# Altium PCB pcb-sam-carrier.PcbDoc (part 2 of 3)
Units mm, origin at the board's own origin, x right, y up, seen from the top; angles counter-clockwise.
Board outline 140 x 87 mm, 4 copper layers (Top Layer, VCC, GND, Bottom Layer), stack 1.606 mm thick; 245 components, 282 nets, 1348 pads, 172 vias.
Unrouted connection lines stored in the file: 727.
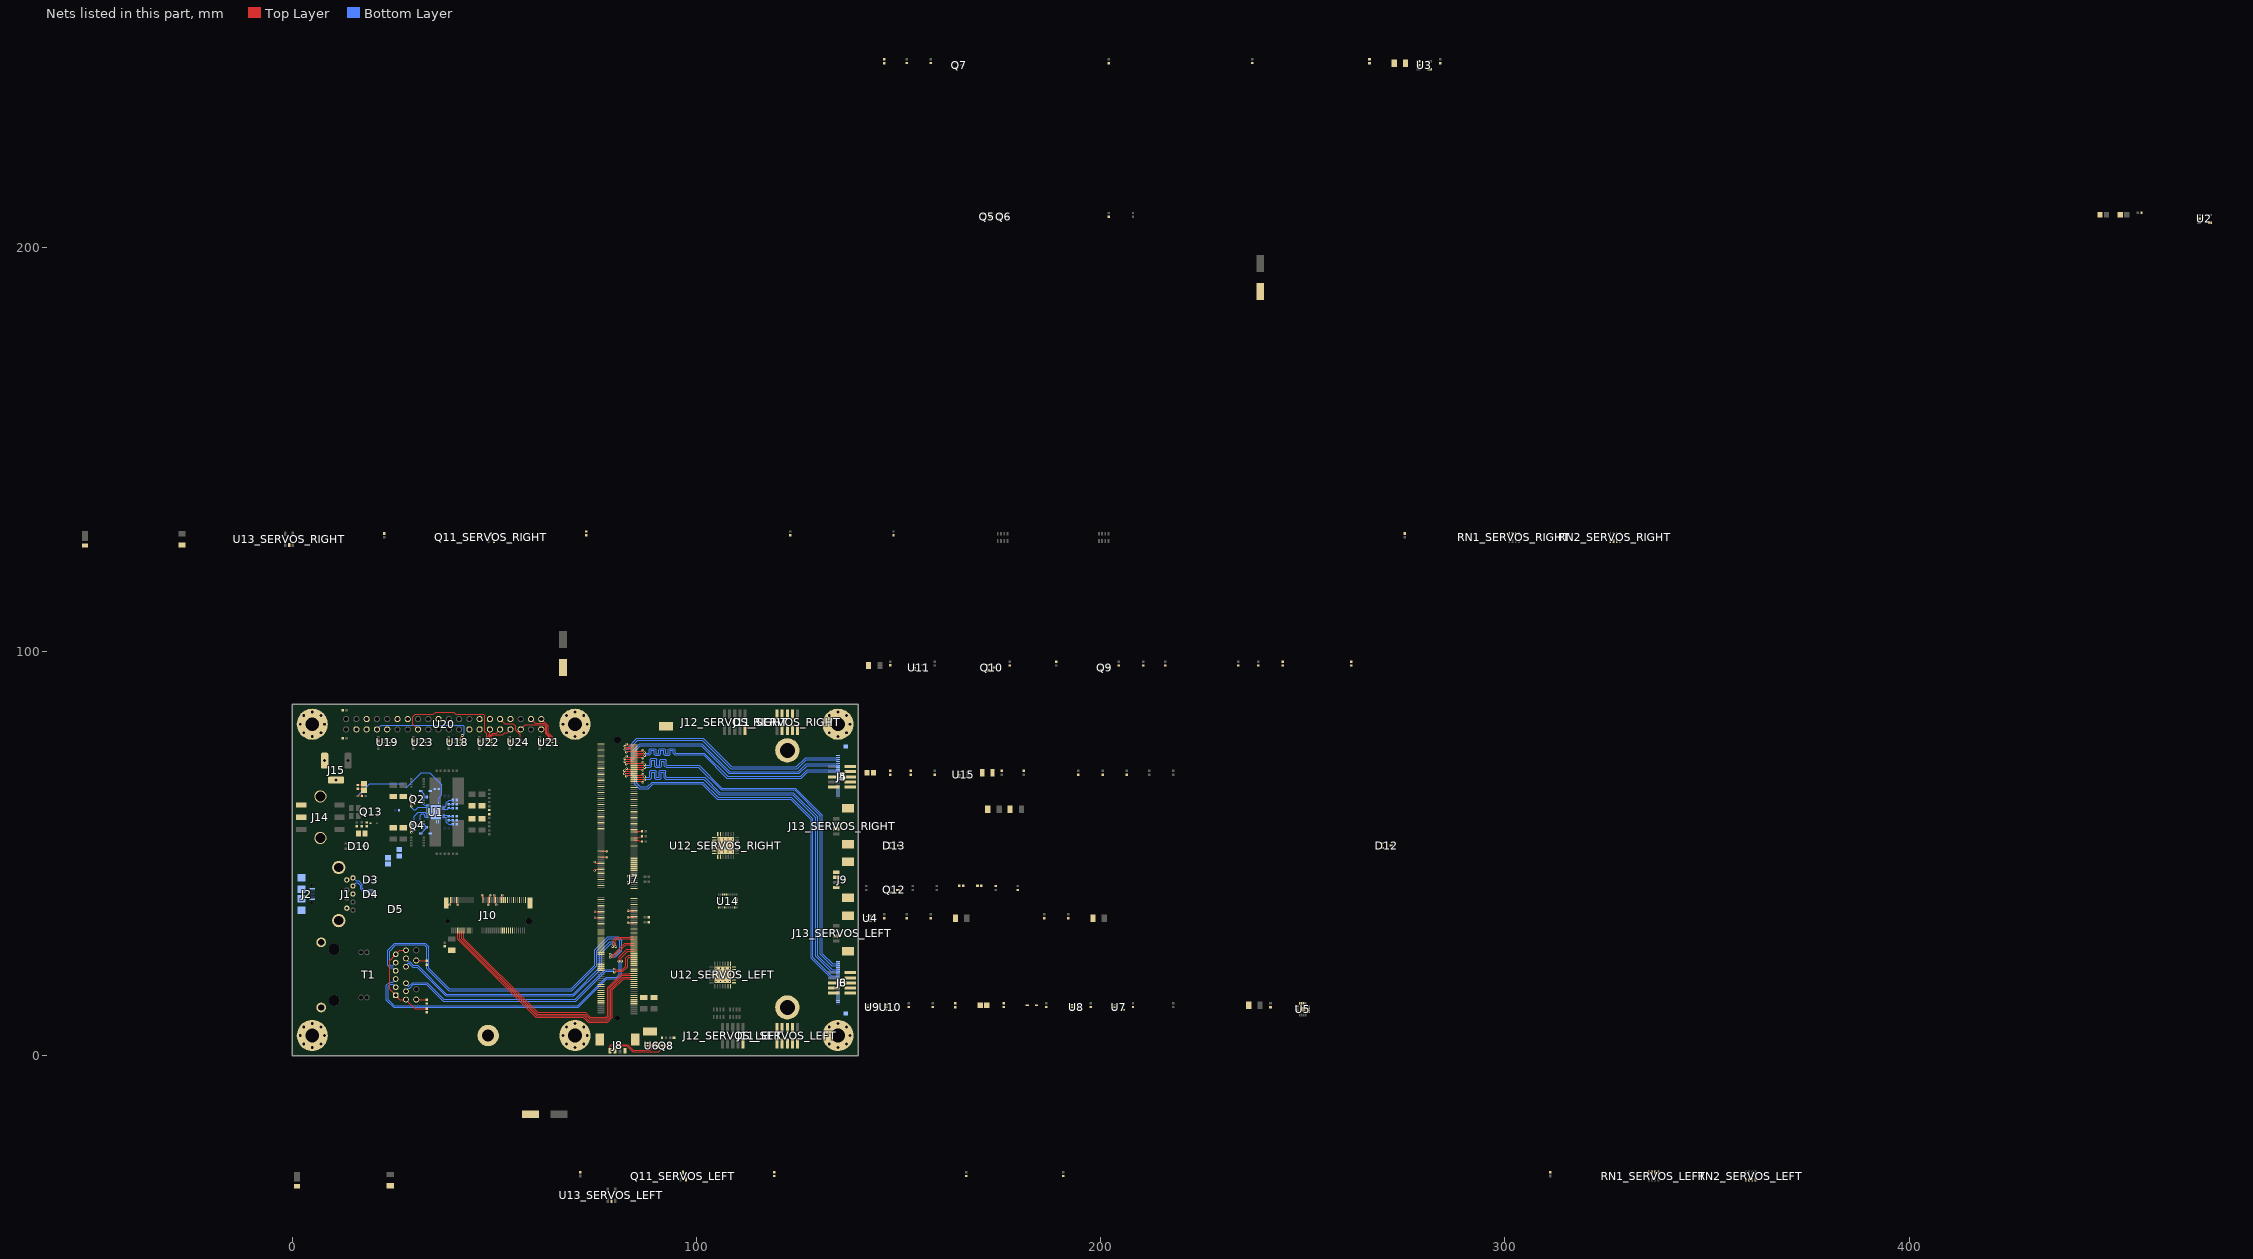
[diagram p2: the nets of this part, all layers, seen from the top]

## Footprints (in the part's own frame and the unit in brackets; to place one, negate y for a bottom-side part, rotate by r counter-clockwise, add the part's x,y. Pads: shape width x height; smd on the part's side, far side on the other; paste and mask are expansions set on the pad) (continued)
TE_2199230-4 [mm]
  rrect15% 0.3x1.55 smd: 1(-9.25,3.9) 2(-9,-3.65) 3(-8.75,3.9) 4(-8.5,-3.65) 5(-8.25,3.9) 6(-8,-3.65) 7(-7.75,3.9) 8(-7.5,-3.65) 9(-7.25,3.9) 10(-7,-3.65) 11(-6.75,3.9) 12(-6.5,-3.65) 13(-6.25,3.9) 14(-6,-3.65) 15(-5.75,3.9) 16(-5.5,-3.65) 17(-5.25,3.9) 18(-5,-3.65) 19(-4.75,3.9) 20(-4.5,-3.65) 21(-4.25,3.9) 22(-4,-3.65) 23(-3.75,3.9) 32(-1.5,-3.65) 33(-1.25,3.9) 34(-1,-3.65) 35(-0.75,3.9) 36(-0.5,-3.65) 37(-0.25,3.9) 38(0,-3.65) 39(0.25,3.9) 40(0.5,-3.65) 41(0.75,3.9) 42(1,-3.65) 43(1.25,3.9) 44(1.5,-3.65) 45(1.75,3.9) 46(2,-3.65) 47(2.25,3.9) 48(2.5,-3.65) 49(2.75,3.9) 50(3,-3.65) 51(3.25,3.9) 52(3.5,-3.65) 53(3.75,3.9) 54(4,-3.65) 55(4.25,3.9) 56(4.5,-3.65) 57(4.75,3.9) 58(5,-3.65) 59(5.25,3.9) 60(5.5,-3.65) 61(5.75,3.9) 62(6,-3.65) 63(6.25,3.9) 64(6.5,-3.65) 65(6.75,3.9) 66(7,-3.65) 67(7.25,3.9) 68(7.5,-3.65) 69(7.75,3.9) 70(8,-3.65) 71(8.25,3.9) 72(8.5,-3.65) 73(8.75,3.9) 74(9,-3.65) 75(9.25,3.9)
  rrect15% 1.2x2.75 smd: S1(-10.35,3.125) S2(10.35,3.125)
  round 1.1 hole 1.1 unplated: ""(-10,-1.375)
  round 1.6 hole 1.6 unplated: ""(10,-1.375)
  silkscreen extent -11,-3.88 11,5.09, body extent -10.95,-4.2 10.95,4.5, height 4.09
TE_2309413-1 [mm]
  rect 0.3x1.75 smd: 1(36.875,4.1) 2(36.625,-4.1) 3(36.375,4.1) 4(36.125,-4.1) 5(35.875,4.1) 6(35.625,-4.1) 7(35.375,4.1) 8(35.125,-4.1) 9(34.875,4.1) 10(34.625,-4.1) 11(34.375,4.1) 12(34.125,-4.1) 13(33.875,4.1) 14(33.625,-4.1) 15(33.375,4.1) 16(33.125,-4.1) 17(32.875,4.1) 18(32.625,-4.1) 19(32.375,4.1) 20(32.125,-4.1) 21(31.875,4.1) 22(31.625,-4.1) 23(31.375,4.1) 24(31.125,-4.1) 25(30.875,4.1) 26(30.625,-4.1) 27(30.375,4.1) 28(30.125,-4.1) 29(29.875,4.1) 30(29.625,-4.1) 31(29.375,4.1) 32(29.125,-4.1) 33(28.875,4.1) 34(28.625,-4.1) 35(28.375,4.1) 36(28.125,-4.1) 37(27.875,4.1) 38(27.625,-4.1) 39(27.375,4.1) 40(27.125,-4.1) 41(26.875,4.1) 42(26.625,-4.1) 43(26.375,4.1) 44(26.125,-4.1) 45(25.875,4.1) 46(25.625,-4.1) 47(25.375,4.1) 48(25.125,-4.1) 49(24.875,4.1) 50(24.625,-4.1) 51(24.375,4.1) 52(24.125,-4.1) 53(23.875,4.1) 54(23.625,-4.1) 55(23.375,4.1) 56(23.125,-4.1) 57(22.875,4.1) 58(22.625,-4.1) 59(22.375,4.1) 60(22.125,-4.1) 61(21.875,4.1) 62(21.625,-4.1) 63(21.375,4.1) 64(21.125,-4.1) 65(20.875,4.1) 66(20.625,-4.1) 67(20.375,4.1) 68(20.125,-4.1) 69(19.875,4.1) 70(19.625,-4.1) 71(19.375,4.1) 72(19.125,-4.1) 73(18.875,4.1) 74(18.625,-4.1) 75(18.375,4.1) 76(18.125,-4.1) 77(17.875,4.1) 78(17.625,-4.1) 79(17.375,4.1) 80(17.125,-4.1) 81(16.875,4.1) 82(16.625,-4.1) 83(16.375,4.1) 84(16.125,-4.1) 85(15.875,4.1) 86(15.625,-4.1) 87(15.375,4.1) 88(15.125,-4.1) 89(14.875,4.1) 90(14.625,-4.1) 91(14.375,4.1) 92(14.125,-4.1) 93(13.875,4.1) 94(13.625,-4.1) 95(13.375,4.1) 96(13.125,-4.1) 97(12.875,4.1) 98(12.625,-4.1) 99(12.375,4.1) 100(12.125,-4.1) 101(11.875,4.1) 102(11.625,-4.1) 103(11.375,4.1) 104(11.125,-4.1) 105(10.875,4.1) 106(10.625,-4.1) 107(10.375,4.1) 108(10.125,-4.1) 109(9.875,4.1) 110(9.625,-4.1) 111(9.375,4.1) 112(9.125,-4.1) 113(8.875,4.1) 114(8.625,-4.1) 115(8.375,4.1) 116(8.125,-4.1) 117(7.875,4.1) 118(7.625,-4.1) 119(7.375,4.1) 120(7.125,-4.1) 121(6.875,4.1) 122(6.625,-4.1) 123(6.375,4.1) 124(6.125,-4.1) 125(5.875,4.1) 126(5.625,-4.1) 127(5.375,4.1) 128(5.125,-4.1) 129(4.875,4.1) 130(4.625,-4.1) 131(4.375,4.1) 132(4.125,-4.1) 133(3.875,4.1) 134(3.625,-4.1) 135(3.375,4.1) 136(3.125,-4.1) 137(2.875,4.1) 138(2.625,-4.1) 139(2.375,4.1) 140(2.125,-4.1) 141(1.875,4.1) 142(1.625,-4.1) 143(1.375,4.1) 144(1.125,-4.1) 145(-1.125,4.1) 146(-1.375,-4.1) 147(-1.625,4.1) 148(-1.875,-4.1) 149(-2.125,4.1) 150(-2.375,-4.1) 151(-2.625,4.1) 152(-2.875,-4.1) 153(-3.125,4.1) 154(-3.375,-4.1) 155(-3.625,4.1) 156(-3.875,-4.1) 157(-4.125,4.1) 158(-4.375,-4.1) 159(-4.625,4.1) 160(-4.875,-4.1) 161(-5.125,4.1) 162(-5.375,-4.1) 163(-5.625,4.1) 164(-5.875,-4.1) 165(-6.125,4.1) 166(-6.375,-4.1) 167(-6.625,4.1) 168(-6.875,-4.1) 169(-7.125,4.1) 170(-7.375,-4.1) 171(-7.625,4.1) 172(-7.875,-4.1) 173(-8.125,4.1) 174(-8.375,-4.1) 175(-8.625,4.1) 176(-8.875,-4.1) 177(-9.125,4.1) 178(-9.375,-4.1) 179(-9.625,4.1) 180(-9.875,-4.1) 181(-10.125,4.1) 182(-10.375,-4.1) 183(-10.625,4.1) 184(-10.875,-4.1) 185(-11.125,4.1) 186(-11.375,-4.1) 187(-11.625,4.1) 188(-11.875,-4.1) 189(-12.125,4.1) 190(-12.375,-4.1) 191(-12.625,4.1) 192(-12.875,-4.1) 193(-13.125,4.1) 194(-13.375,-4.1) 195(-13.625,4.1) 196(-13.875,-4.1) 197(-14.125,4.1) 198(-14.375,-4.1) 199(-14.625,4.1) 200(-14.875,-4.1) 201(-15.125,4.1) 202(-15.375,-4.1) 203(-15.625,4.1) 204(-15.875,-4.1) 205(-16.125,4.1) 206(-16.375,-4.1) 207(-16.625,4.1) 208(-16.875,-4.1) 209(-17.125,4.1) 210(-17.375,-4.1) 211(-17.625,4.1) 212(-17.875,-4.1) 213(-18.125,4.1) 214(-18.375,-4.1) 215(-18.625,4.1) 216(-18.875,-4.1) 217(-19.125,4.1) 218(-19.375,-4.1) 219(-19.625,4.1) 220(-19.875,-4.1) 221(-20.125,4.1) 222(-20.375,-4.1) 223(-20.625,4.1) 224(-20.875,-4.1) 225(-21.125,4.1) 226(-21.375,-4.1) 227(-21.625,4.1) 228(-21.875,-4.1) 229(-22.125,4.1) 230(-22.375,-4.1) 231(-22.625,4.1) 232(-22.875,-4.1) 233(-23.125,4.1) 234(-23.375,-4.1) 235(-23.625,4.1) 236(-23.875,-4.1) 237(-24.125,4.1) 238(-24.375,-4.1) 239(-24.625,4.1) 240(-24.875,-4.1) 241(-25.125,4.1) 242(-25.375,-4.1) 243(-25.625,4.1) 244(-25.875,-4.1) 245(-26.125,4.1) 246(-26.375,-4.1) 247(-26.625,4.1) 248(-26.875,-4.1) 249(-27.125,4.1) 250(-27.375,-4.1) 251(-27.625,4.1) 252(-27.875,-4.1) 253(-28.125,4.1) 254(-28.375,-4.1) 255(-28.625,4.1) 256(-28.875,-4.1) 257(-29.125,4.1) 258(-29.375,-4.1) 259(-29.625,4.1) 260(-29.875,-4.1)
  rect 2x3.5 smd: S1(41.25,-12) S2(-34.25,-8)
  round 1.15 hole 1.15 unplated: ""(-30.9,0)
  round 1.65 hole 1.65 unplated: ""(37.9,0)
  silkscreen extent -35.5,-20.85 42.5,5.6, body extent -34.55,-45 41.55,5, height 10.82
WCAP-PSHP_D8H8.7 [mm] "Aluminium Polymer V-Chip SMT Capacitors, D8mm x L8.7mm"
  rect 4.2x1.9 smd: 1(3.5,0) 2(-3.5,0)
  silkscreen extent -4.25,-4.25 4.25,4.25, body extent -4.5,-4.15 4.5,4.15, height 8.7

## Part data
C1 C2 C3 C4 C5 C7 C8 C9 C10 C11 C14 C15 C16 C17 C18 C20 C21 C22 C24 C26 C27 C29 C30 C31 C33 C34 C35 C36 C37 C38 C39 C40 C44 C46 C47 C48 C49 C50 C51 C52 C54 C55_SERVOS_LEFT C55_SERVOS_RIGHT C56_SERVOS_LEFT C56_SERVOS_RIGHT C57_SERVOS_LEFT C57_SERVOS_RIGHT C58 C59 C60 C63 C64 C65 C66: "Capacitor", voltage=25V, type=X5R
C6 C19: library part 875115452003, "WCAP-PSHP Aluminum Polymer Capacitor, V-Chip, SMT, D8xH8.7mm, 100uF, 20V", Capacitance=100uF, Capacitance Tolerance=+/-20%, Leakage Current=400uA, Manufacturer="Wurth Elektronik", Operating Temperature="-55 to +105degC", Rated Voltage=20VDC, Ripple Current=3500mA, ComponentLink1Description=Manufacturer, ComponentLink1URL=http://www.we-online.de, ComponentLink2Description=Datasheet, ComponentLink2URL=https://www.we-online.com/catalog/datasheet/875115452003.pdf, Diameter=8mm, Dissipation Factor=8%, Endurance=2000h, ESR=20mOhm, Height=8.7mm, Manufacturer Part Number=875115452003, Mounting Technology=SMT, Packaging="Tape and Reel", Published Date="October 2020", Technical Reference=PSEE087101M020DVCTEB000
C12 C13 C23 C25 C28 C32 C45 C53 C61 C62 C67 C68 C69 C70 C71 C72 C73 C74 C75 C76 C77 C78 C79 C80: "Capacitor"
  C12 C13 C23 C25 C61 C62: type=C0G
  C28 C53: type=X7R
  C45: type=X5R
C41: library part 875115152006, "WCAP-PSHP Aluminum Polymer Capacitor, V-Chip, SMT, D8xH8.7mm, 560uF, 6.3V", Capacitance=560uF, Capacitance Tolerance=+/-20%, Leakage Current=705.6uA, Manufacturer="Wurth Elektronik", Operating Temperature="-55 to +105degC", Rated Voltage=6.3VDC, Ripple Current=4800mA, ComponentLink1Description=Manufacturer, ComponentLink1URL=http://www.we-online.de, ComponentLink2Description=Datasheet, ComponentLink2URL=https://www.we-online.com/catalog/datasheet/875115152006.pdf, Diameter=8mm, Dissipation Factor=8%, Endurance=2000h, ESR=11mOhm, Height=8.7mm, Manufacturer Part Number=875115152006, Mounting Technology=SMT, Packaging="Tape and Reel", Published Date="October 2020", Technical Reference=PSEE087561M6R3DVCTEB000
C42 C43: "Capacitor", voltage=6V3, type=X5R
D1 D2 D6: library part diode_schottky, "Shottky diode"
D3 D4 D5: library part tpd4e02b04d, "4-Channel ESD Protection Diode for USB Type-C and HDMI 2.0", ComponentLink1Description=Datasheet, ComponentLink1URL=https://www.ti.com/lit/ds/symlink/tpd4e02b04.pdf
D7_SERVOS_LEFT D7_SERVOS_RIGHT: library part dfls2100, "2.0A HIGH VOLTAGE SCHOTTKY BARRIER RECTIFIER", ComponentLink1Description=datasheet, ComponentLink1URL=https://www.diodes.com/assets/Datasheets/ds31475.pdf
D8 D9: "LED"
D10 D12 D13: library part esda25w, "TRANSIL array for data protection", ComponentLink1Description=datasheet, ComponentLink1URL=https://www.st.com/content/ccc/resource/technical/document/datasheet/cd/9b/8d/39/1f/d4/43/ba/CD00064033.pdf/files/CD00064033.pdf/jcr:content/translations/en.CD00064033.pdf
D11: library part zener, "Zener diode", Vz=10V
FB1 FB2: "Inductor"
J1: library part 692121030100, "USB 3.0 Type A, Receptacle, Horizontal, THT", Manufacturer="Wurth Elektronik", Operating Temperature="-20 to +85degC", Rated Current=1.8A, Working Voltage=30VAC, Application="USB 3.0", ComponentLink1Description=Manufacturer, ComponentLink1URL=http://www.we-online.de, ComponentLink2Description=Datasheet, ComponentLink2URL=https://katalog.we-online.com/em/datasheet/692121030100.pdf, Gender=Receptacle, Interface Type="Type A", Manufacturer Part Number=692121030100, Mounting Technology=THT, Packaging="Tape and Reel", Pin Number=9, Published Date="August 2020", type=Horizontal
J2: library part 629105136821, "Micro USB 2.0 Type B, Receptacle, Horizontal, SMT", Manufacturer="Wurth Elektronik", Operating Temperature="-40 to +105degC", Rated Current=1A, Working Voltage=30VAC, Application="Micro USB 2.0", ComponentLink1Description=Manufacturer, ComponentLink1URL=http://www.we-online.de, ComponentLink2Description=Datasheet, ComponentLink2URL=https://katalog.we-online.com/em/datasheet/629105136821.pdf, Gender=Receptacle, Interface Type="Type B", Manufacturer Part Number=629105136821, Mounting Technology=SMT, Packaging="Tape and Reel", Pin Number=5, Published Date="August 2020", type=Horizontal
J3 J5: library part raspicam_22_con, "0.5 mm Pitch Easy-On(TM) Type FPC Connector, 1.2 mm Mated Height, Right Angle, ZIF, SMT, Bottom Contact, 22 Circuits, -20 to 85 degC, ELV and RoHS Compliant, Tape and Reel", Current (Max per Contact)=0.5A, Manufacturer=Molex, Voltage (Max)=50V, Circuits (Loaded)=22, ComponentLink1Description="Manufacturer URL", ComponentLink1URL=http://www.molex.com/molex/index.jsp, ComponentLink2Description=Datasheet, ComponentLink2URL=http://www.molex.com/webdocs/datasheets/pdf/en-us/0545482271_FFC_FPC_CONNECTORS.pdf, ComponentLink3Description="Package Specification", ComponentLink3URL=http://www.molex.com/pdm_docs/sd/545482171_sd.pdf, Contact Position=Bottom, Durability (mating cycles max)=20, Entry Angle="90degrees Angle", Mated Height=1.20mm, Material - Metal="Phosphor Bronze", Material - Plating Mating=Gold, Material - Plating Termination=Tin, Mounting Technology="Surface Mount", Number of Rows=1, Orientation="Right Angle", PackageDescription="22-Lead FPC Connector, Pitch 0.5 mm", PackageReference=54548-2271, PackageVersion="Rev. N, 06/2008", Packing="Tape and Reel", PartNumber=54548-2271, PCB Locator=No, PCB Retention=Yes, Pitch - Mating Interface=0.50mm, Polarized to PCB=Yes, RoHS=TRUE, Stackable=No
J4 J6: library part GPA-EYE-FTSH-105-01-F-DV-P-TR, Package=None, Supplier Part Number 1=SAM13161CT-ND, Availability=Unavailable, MF=Samtec, MP=FTSH-105-01-F-DV-P-TR, Price=None, Supplier 1=Digi-Key, Supplier 2=Mouser, Supplier Part Number 2=200-FTSH10501FDVPTR
J7: library part nvidia_jetson_xavier_nx, "NVIDIA Jetson Xavier NX System-on-Module Volta GPU + Carmel CPU+ 8GB LPDDR4x + 16GB eMMC 5.1", Package=None, Availability=Unavailable, Centerline_Pitch=".5 mm[.0197 in]", EU_RoHS_Compliance=Compliant, MF="TE Connectivity", MP=2309413-1, Number_of_Positions=260, Price=None, Product_Type=Socket, SnapEDA_Link=https://www.snapeda.com/parts/2309413-1/TE%20Connectivity%20AMP%20Connectors/view-part/2381121/?ref=snap, TE_purchase_URL=https://www.te.com/usa-en/product-2309413-1.html?te_bu=Cor&te_type=disp&te_campaign=seda_glo_cor-seda-global-disp-prtnr-fy19-seda-model-bom-cta_sma-317_1&elqCampaignId=32493
J8: "1.25mm Pitch, PicoBlade PCB Header, Single Row, Vertical, Surface Mount, Tin (Sn) Plating, Friction Lock, 4 Circuits, Tape and Reel, 0.60mm PC Tail Length", ComponentLink1Description="Product page", ComponentLink1URL=https://www.molex.com/molex/products/part-detail/pcb_headers/0533980471, ComponentLink2Description=Drawing, ComponentLink2URL=https://www.molex.com/pdm_docs/sd/533980471_sd.pdf
J9 J13_SERVOS_LEFT J13_SERVOS_RIGHT: "1.25mm Pitch, PicoBlade PCB Header, Single Row, Right-Angle, Surface Mount, Tin (Sn) Plating, Friction Lock, 4 Circuits, Tape and Reel", ComponentLink1Description="Product page", ComponentLink1URL=https://www.molex.com/molex/products/part-detail/pcb_headers/0532610471, ComponentLink2Description=Drawing, ComponentLink2URL=https://www.molex.com/pdm_docs/sd/532610471_sd.pdf
J10: "M.2 NGFF, M.2 Connectors, Connector Height .165 in [4.2 mm], E Keying Code, Gold, Board-to-Board, 67 Position, .5mm [.02in] Centerline", Supplier Part Number 1=A115904CT-ND, Key=E, Supplier 1=Digi-Key, Supplier 2=Digi-Key, Supplier 3=Digi-Key, Supplier Part Number 2=A115904DKR-ND, Supplier Part Number 3=A115904TR-ND
J11_SERVOS_LEFT J11_SERVOS_RIGHT J12_SERVOS_LEFT J12_SERVOS_RIGHT: library part hdr_2x5, "2x5 Header"
J14: "Micro-Fit 3.0 Vertical Header, 3.00mm Pitch, Dual Row, 6 Circuits, with PCB Press-fit Metal Retention Clip, Gold, Glow-Wire Capable, Black", ComponentLink1Description=drawing, ComponentLink1URL=https://www.molex.com/pdm_docs/sd/430450617_sd.pdf
J15: "WR-DC DC Power Jack Connector, Male, Right Angled, 24V, 5A", Manufacturer="Wurth Elektronik", Operating Temperature="-40 to +85degC", Rated Current=5A, Working Voltage=24V, ComponentLink1Description=Manufacturer, ComponentLink1URL=http://www.we-online.de, ComponentLink2Description=Datasheet, ComponentLink2URL=https://www.we-online.com/catalog/datasheet/694108301002.pdf, Gender=Male, Manufacturer Part Number=694108301002, Mounting Technology=THT, Opening Diameter=6.4mm, Orientation="Right Angled", Packaging=Bag, Plug Inner Diameter=2.55mm, Plug Outer Diameter=5.5mm, Published Date="March 2021"
L1 L2: library part srn8040ta, ComponentLink1Description=series, ComponentLink1URL=https://www.bourns.com/docs/Product-Datasheets/SRR4028.pdf, Irms=5.8A, Isat=6.7A
MH1 MH2 MH3 MH4 MH5 MH6: library part mounting_hole, "Mounting hole"
MP1 MP2: library part nvidia_jetson_spacer, "WA-SMSI SMT Steel Spacer, M2.5 Thread Internal, OD 5.1mm, M2.5x6.5mm", Manufacturer="Wurth Elektronik", Manufacturer Part Number=9774065151, Operating Temperature="-55 to +150degC", ComponentLink1Description=Manufacturer, ComponentLink1URL=http://www.we-online.de, ComponentLink2Description=Datasheet, ComponentLink2URL=https://www.we-online.com/catalog/datasheet/9774065151.pdf, Inner Diameter=3.5mm, Inner Thread Length=-, Length=6.5mm, Material=Steel, Mounting Technology=SMT, Outer Diameter=5.1mm, Packaging=Bulk, Published Date="April 2020", Surface=Tin, Thread=M2.5
MP3: library part 9774025243, "WA-SMSI SMT Steel Spacer, M2 Thread Internal, OD 4.35mm, M2x2.5mm", Manufacturer="Wurth Elektronik", Operating Temperature="-55 to +150degC", ComponentLink1Description=Manufacturer, ComponentLink1URL=http://www.we-online.de, ComponentLink2Description=Datasheet, ComponentLink2URL=https://www.we-online.com/catalog/datasheet/9774025243.pdf, Inner Diameter=2.8mm, Inner Thread Length=-, Length=2.5mm, Manufacturer Part Number=9774025243, Material=Steel, Mounting Technology=SMT, Outer Diameter=4.35mm, Packaging=Bulk, Published Date="April 2020", Surface=Tin, Thread=M2
Q1 Q2 Q3 Q4: library part rq3e100bn, "Nch 30V 21A Power MOSFET"
Q5 Q6 Q7 Q8 Q9 Q10 Q11_SERVOS_LEFT Q11_SERVOS_RIGHT Q12: library part ru1j002yn, "N-channel 50V 200mA Small signal MOSFET", ComponentLink1Description=datasheet, ComponentLink1URL=https://www.mouser.se/datasheet/2/348/ru1j002yn-e-1018335.pdf
Q13: library part rq3e120at, "Pch -30V -39A Power MOSFET", ComponentLink1Description=Datasheet
R1 R2 R3 R4 R5 R6 R7 R8 R9 R10 R11 R12 R13 R14 R15 R16 R17 R18 R19 R20 R21 R22 R23 R24 R25 R26 R27 R28 R29 R30 R31 R32 R33 R34 R35 R36 R37 R38 R39 R40 R41 R42 R43 R44 R45 R46 R47 R48 R49_SERVOS_LEFT R49_SERVOS_RIGHT R50_SERVOS_LEFT R50_SERVOS_RIGHT R51_SERVOS_LEFT R51_SERVOS_RIGHT R52 R53 R54 R55 R56 R57 R58 R59 R60 R61 R62 R63 R64 R65 R66: "Resistor"
RN1_SERVOS_LEFT RN1_SERVOS_RIGHT RN2_SERVOS_LEFT RN2_SERVOS_RIGHT RN3_SERVOS_LEFT RN3_SERVOS_RIGHT RN4_SERVOS_LEFT RN4_SERVOS_RIGHT: "Resistor network"
T1: "WE-RJ45 LAN Transformer, THT, 10/100/1000 Base-T, Port 1x1, Tab Up", Manufacturer="Wurth Elektronik", Operating Temperature="-40 to +85degC", ComponentLink1Description=Manufacturer, ComponentLink1URL=http://www.we-online.de, ComponentLink2Description=Datasheet, ComponentLink2URL=https://www.we-online.com/catalog/datasheet/7499511440.pdf, Data Rate="10/100/1000 Base-T", HPLE=No, LED=green/yellow-green/yellow, Manufacturer Part Number=7499511440, Mounting Technology=THT, Packaging=Tray, PoE="PoE+ (up to 600 mA)", Port Number=1x1, Published Date="October 2020", Shield Tabs=Yes, Tab=Up, USB=No
U1: library part ltc3869, "Dual, 2-Phase Synchronous Step-Down DC/DC Controllers", Supplier Part Number 1=LTC3869EUFD#TRPBFCT-ND, ComponentLink1Description=Datasheet, ComponentLink1URL=https://www.analog.com/media/en/technical-documentation/data-sheets/38692fb.pdf, Supplier 1=Digi-Key, Supplier 2=Digi-Key, Supplier 3=Mouser, Supplier Part Number 2=LTC3869EUFD#PBF-ND, Supplier Part Number 3=584-LTC3869EUFD#PBF
U2: library part tlv740xxpdbvr, "300-mA, Low-Dropout Regulator / With Foldback Current Limit", ComponentLink1Description=Datasheet, ComponentLink1URL=https://www.ti.com/lit/gpn/tlv740p
U3 U13_SERVOS_LEFT U13_SERVOS_RIGHT: library part ap22811a, "SINGLE CHANNEL POWER DISTRIBUTION LOAD SWITCH", Supplier Part Number 1=AP22811AW5-7DICT-ND, ComponentLink1Description=Datasheet, ComponentLink1URL=https://www.diodes.com/assets/Datasheets/AP22811.pdf, Ilim=1A, Supplier 1=Digi-Key, Supplier 2=Digi-Key, Supplier 3=Digi-Key, Supplier 4=Mouser, Supplier Part Number 2=AP22811AW5-7DIDKR-ND, Supplier Part Number 3=AP22811AW5-7DITR-ND, Supplier Part Number 4=621-AP22811AW5-7
U4: library part CMP-0309-00010-2, "2 Channel USB Switch, 1:2 Mux / Demux, 10 ohm RON, 3.0 to 4.3V, -40 to 85 degC, 10-Pin UQFN (RSW), Green (RoHS & no Sb/Br)", Manufacturer="Texas Instruments", Architecture="\"1\",\"2 mux/demux\"", Bandwidth(MHz)=900, Code_JEDEC=MO-288-UDEE, ComponentLink1Description=Datasheet, ComponentLink1URL=http://www.ti.com/general/docs/lit/getliterature.tsp?genericPartNumber=TS3USB30E&fileType=pdf, ComponentLink2Description="Package Specification", ComponentLink2URL=http://www.ti.com/lit/ml/mpqf206b/mpqf206b.pdf, DatasheetVersion=SCDS255D, Eco-Plan="Green (RoHS & no Sb/Br)", ESD HBM(kV)=+/-8, ICC(uA)=1, IL OFF(Max)(nA)=2, Mounting Technology="Surface Mount", Number of Channels=2, OFF Time(Max)(ns)=30, ON Time(Max)(ns)=25, PackageDescription="10-Lead Plastic Quad FlatPack, No-Lead 1.4x1.8x0.5mm Body, 0.4mm Pitch (R-PUQFN-N10)", PackageReference=RSW0010A, PackageVersion=Jul-2008, PartNumber=TS3USB30ERSWR, RON Flatness(Max)(Ohms)=2, RON Mis-match(Max)(Ohms)=0.35, ron(max)(ohms)=10, SubFamily="USB Switch", tpd max(ns)=0.25, Vcc range(V)="3.0 to 4.3"
U5: library part max98357xxte, "Tiny, Low-Cost, PCM Class D Amplifier with Class AB Performance", Supplier Part Number 1=MAX98357AETE+TCT-ND, ComponentLink1Description=Datasheet, ComponentLink1URL=https://datasheets.maximintegrated.com/en/ds/MAX98357A-MAX98357B.pdf, Supplier 1=Digi-Key, Supplier 2=Digi-Key, Supplier 3=Digi-Key, Supplier 4=Mouser, Supplier 5=LCSC, Supplier Part Number 2=MAX98357AETE+TDKR-ND, Supplier Part Number 3=MAX98357AETE+TTR-ND, Supplier Part Number 4=700-MAX98357AETE+T, Supplier Part Number 5=C910544